# Altium PCB QAM16_PCB.PcbDoc (part 1 of 3)
Units mm, origin at the board's own origin, x right, y up, seen from the top; angles counter-clockwise.
Board outline 146.25 x 74.25 mm, 4 copper layers (Top Layer, MidLayer1, MidLayer2, Bottom Layer), stack 1.554 mm thick; 210 components, 131 nets, 714 pads, 562 vias.
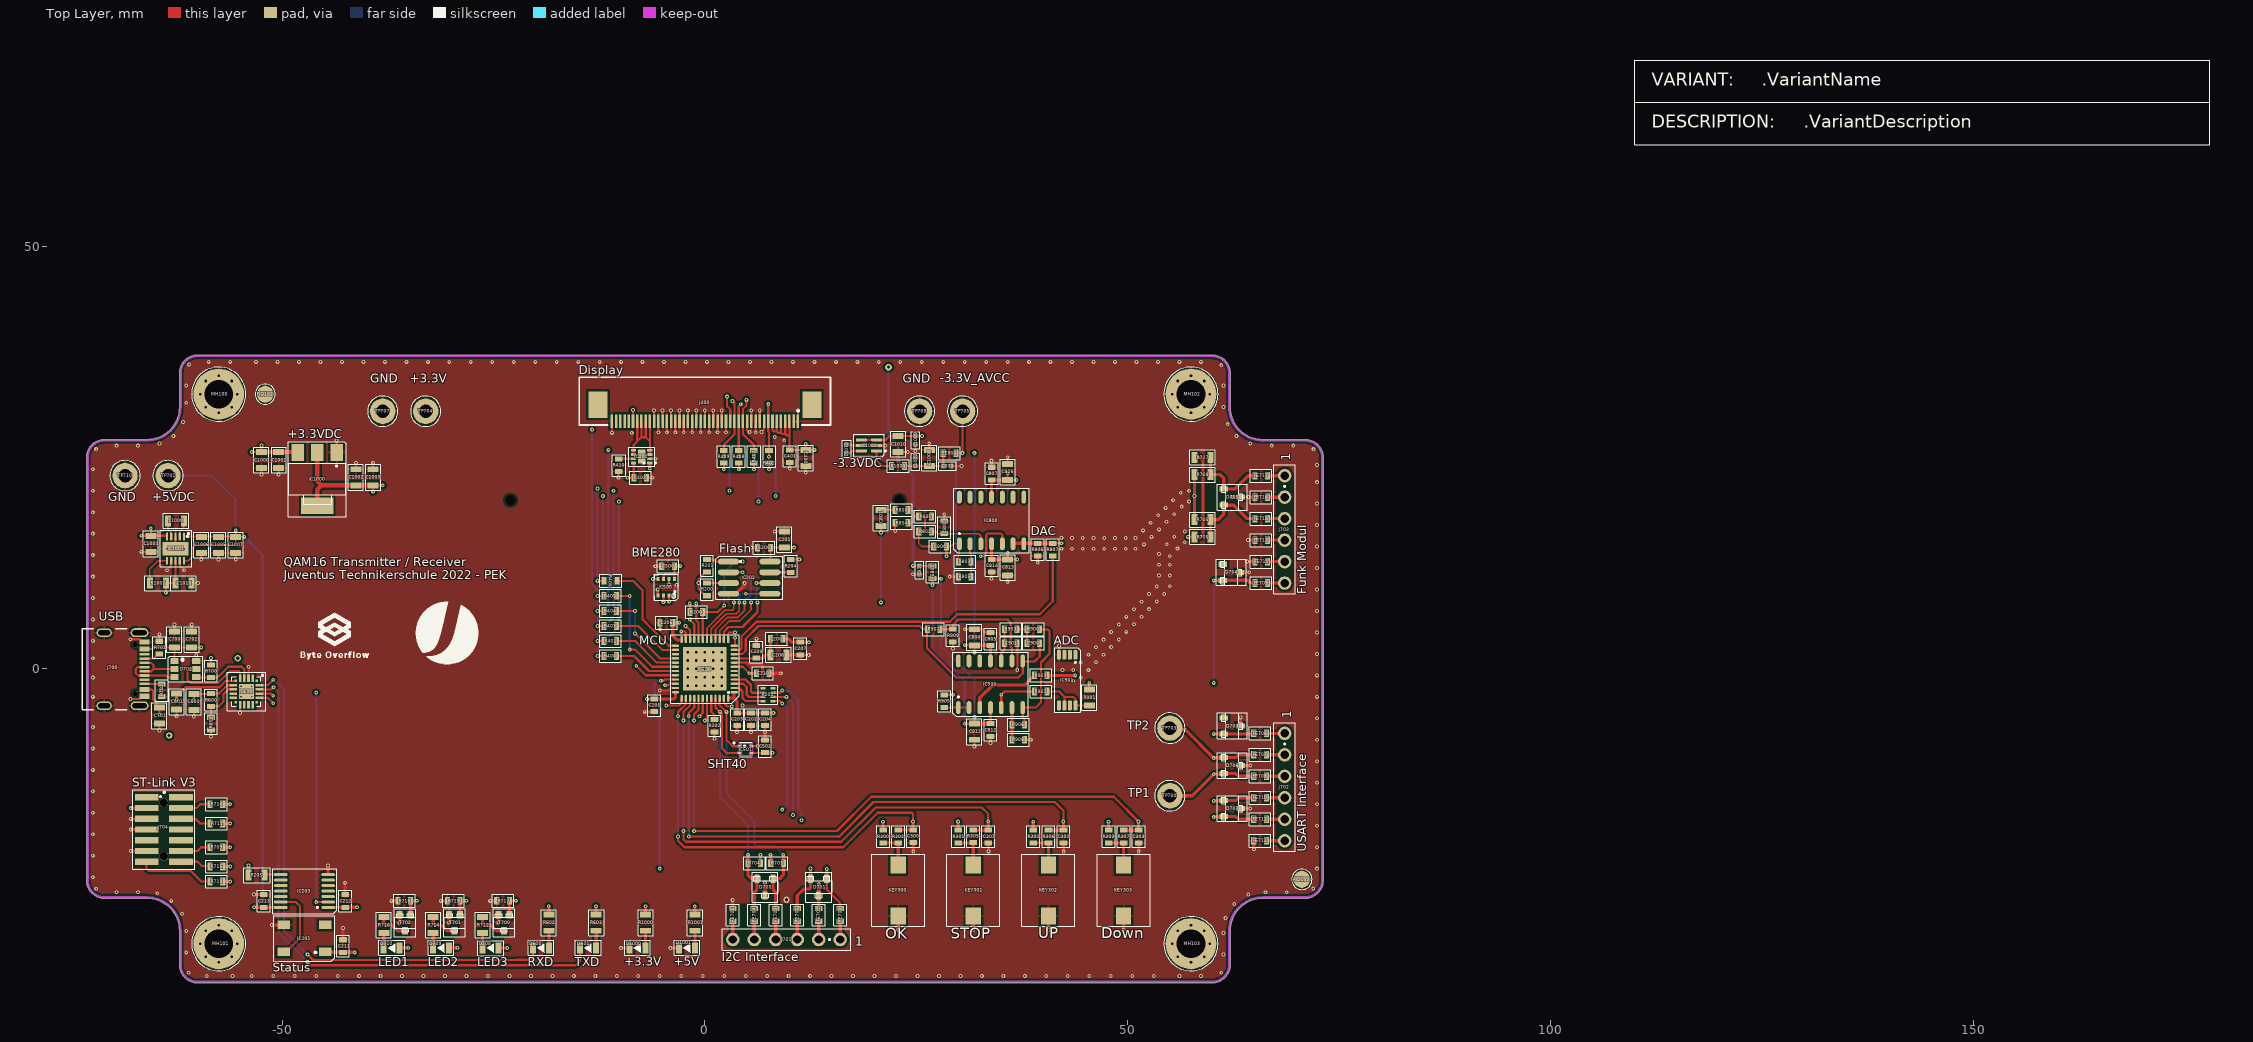
[diagram p0: Top Layer view]
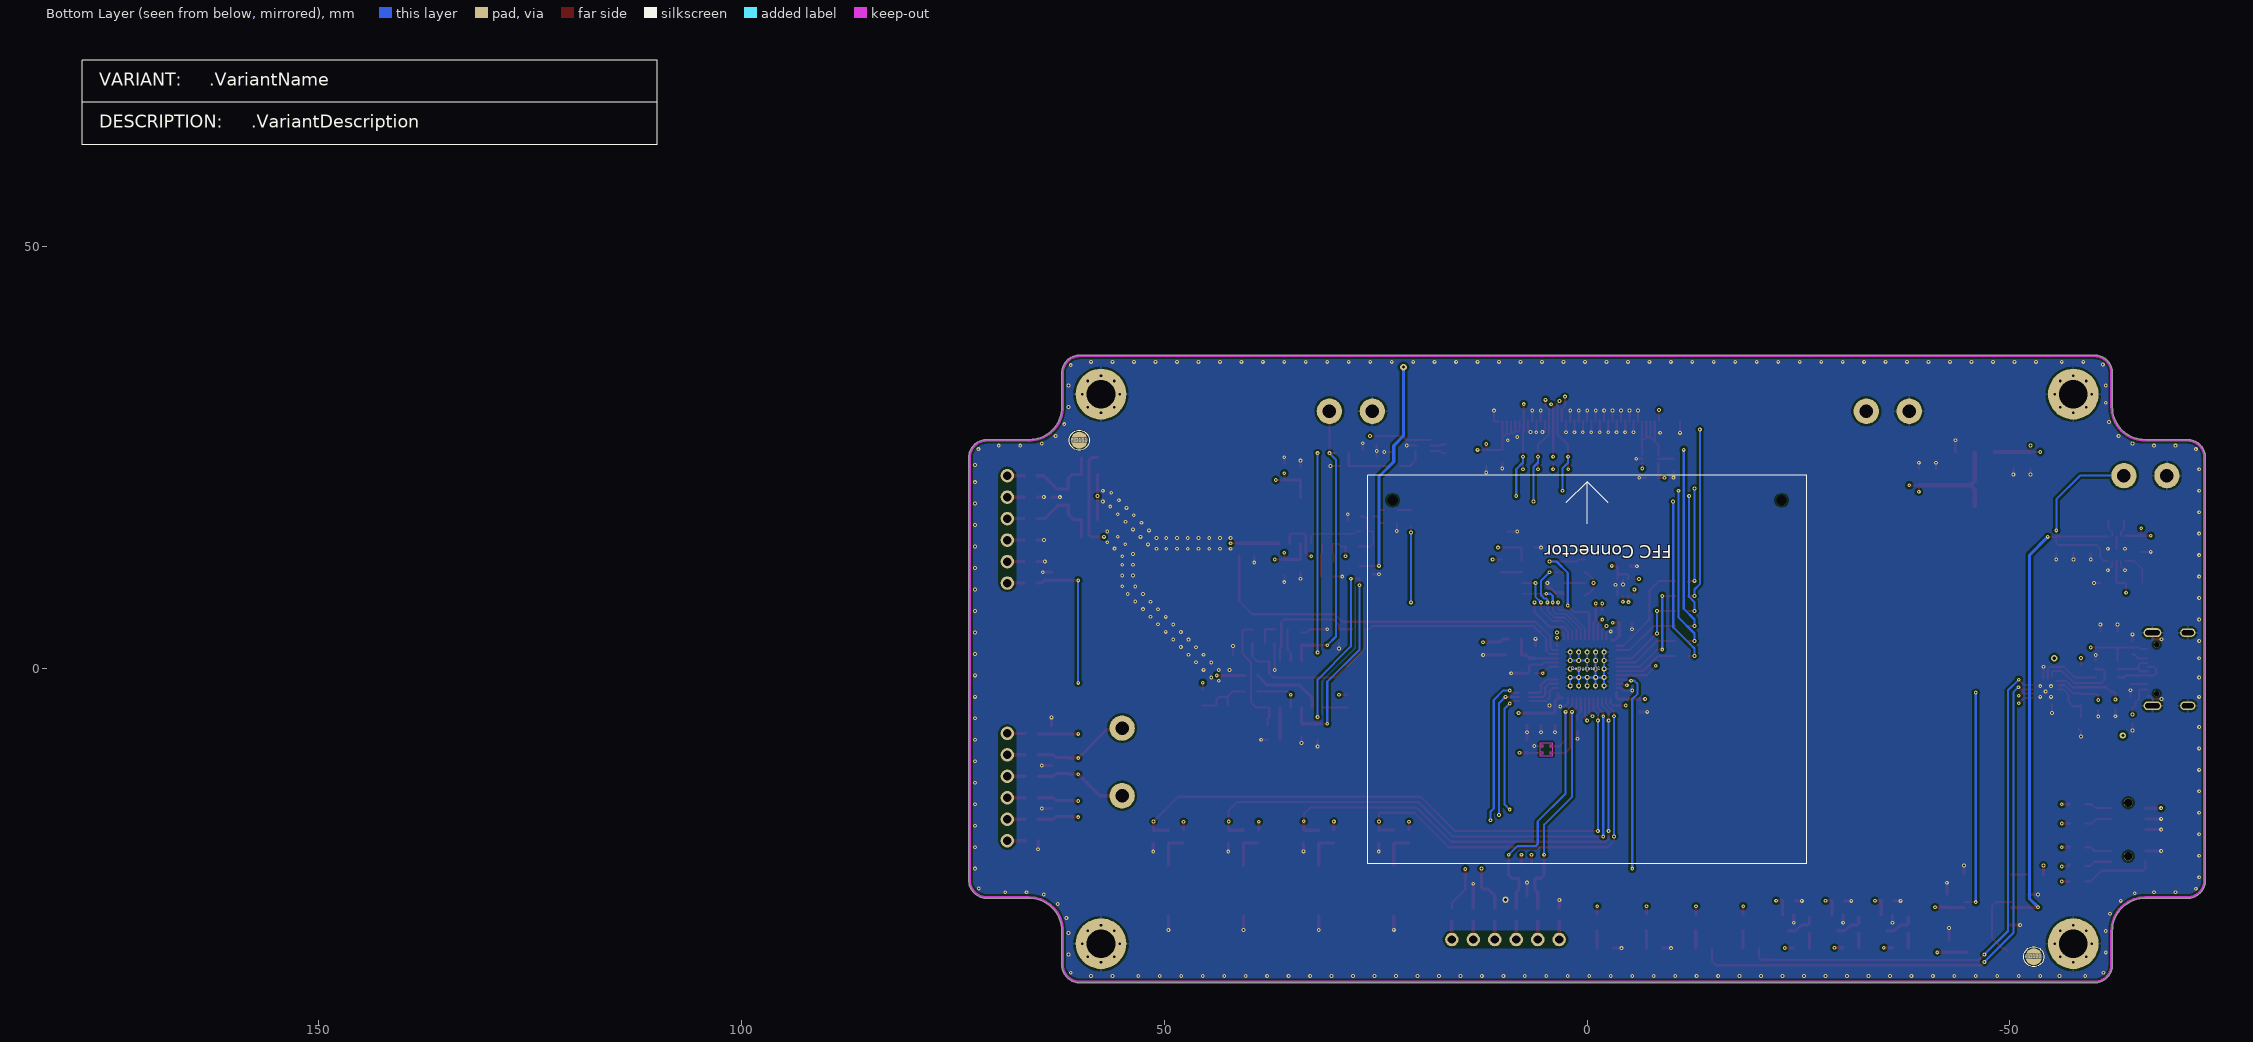
[diagram p1: Bottom Layer view, seen from below]
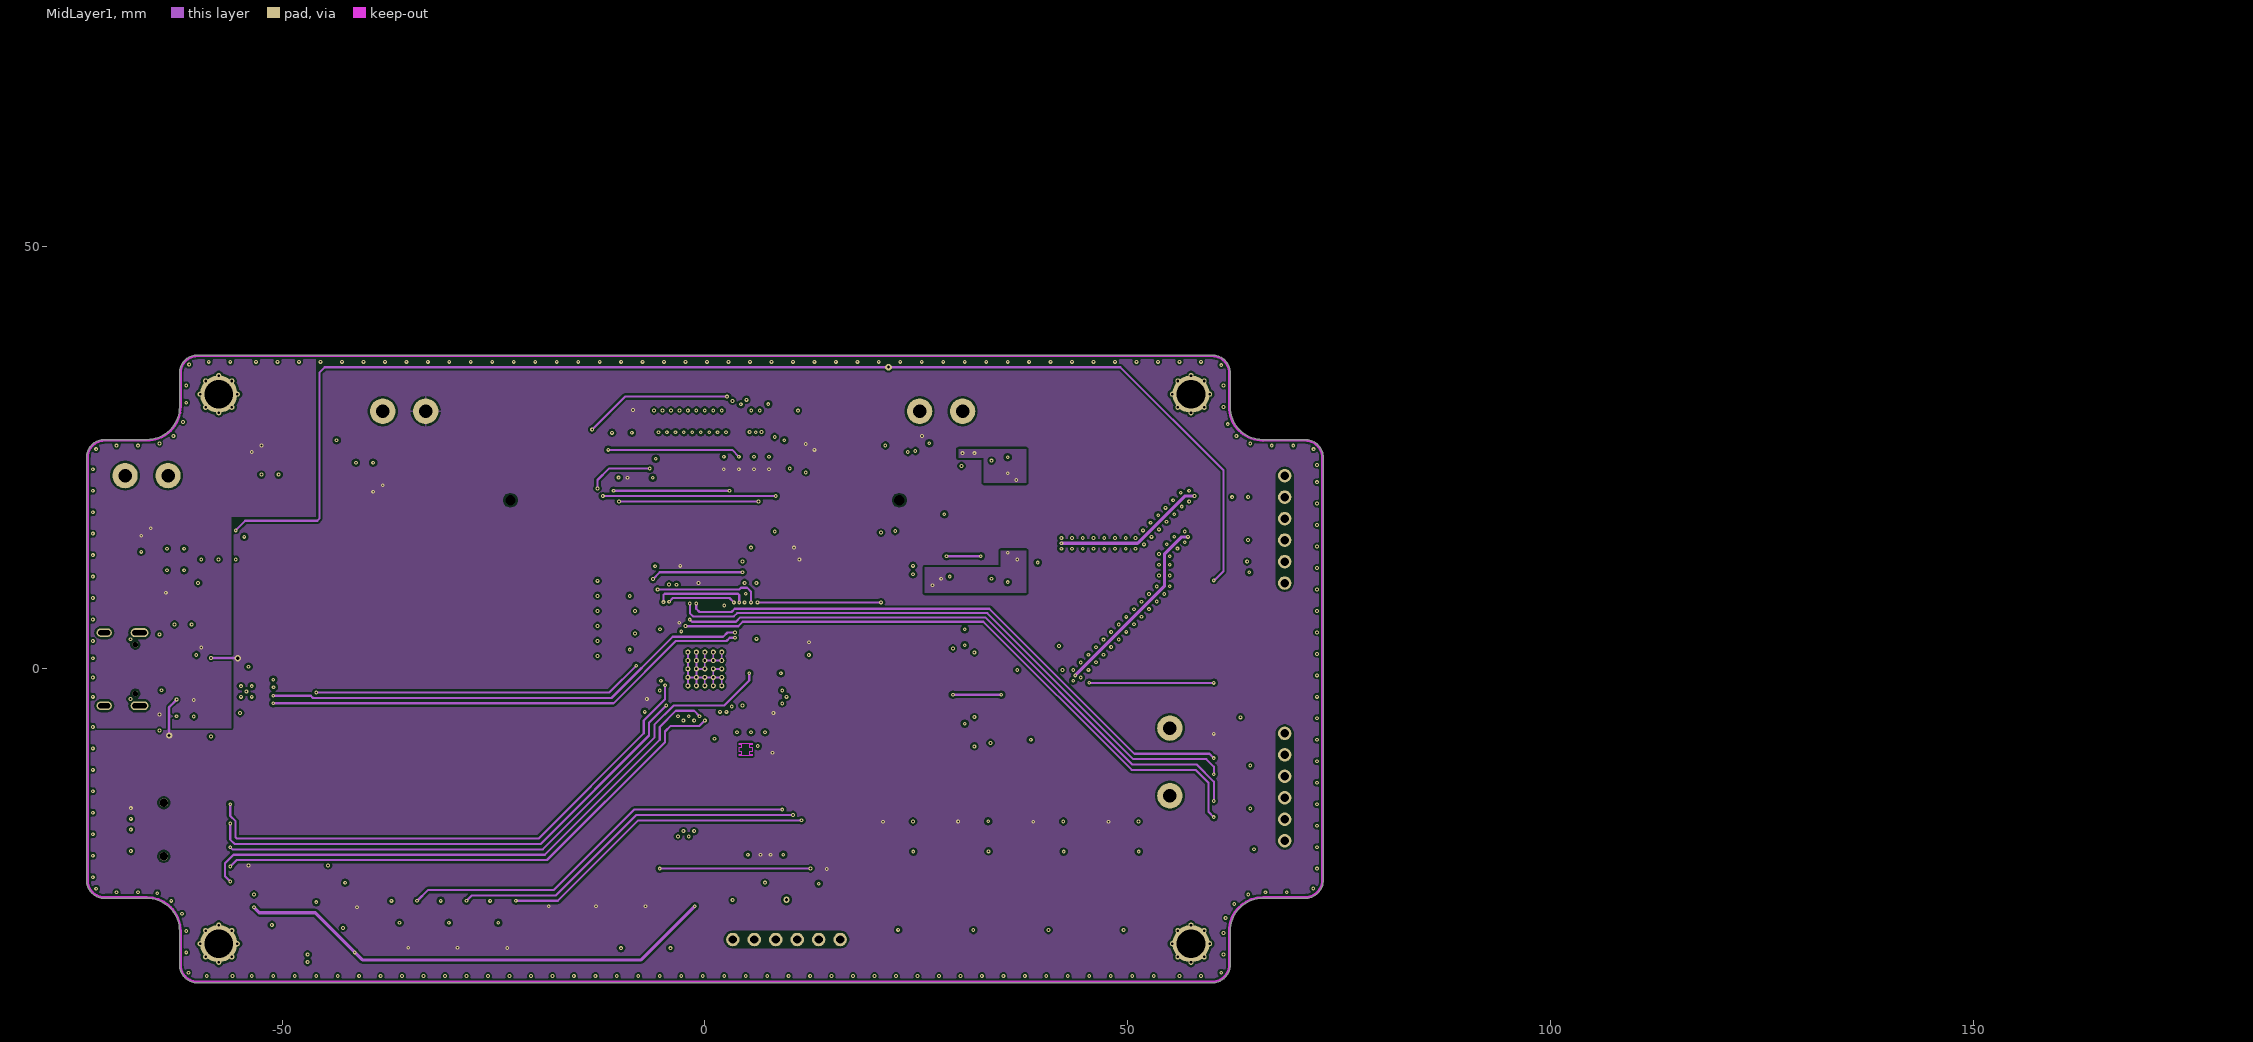
[diagram p2: MidLayer1]
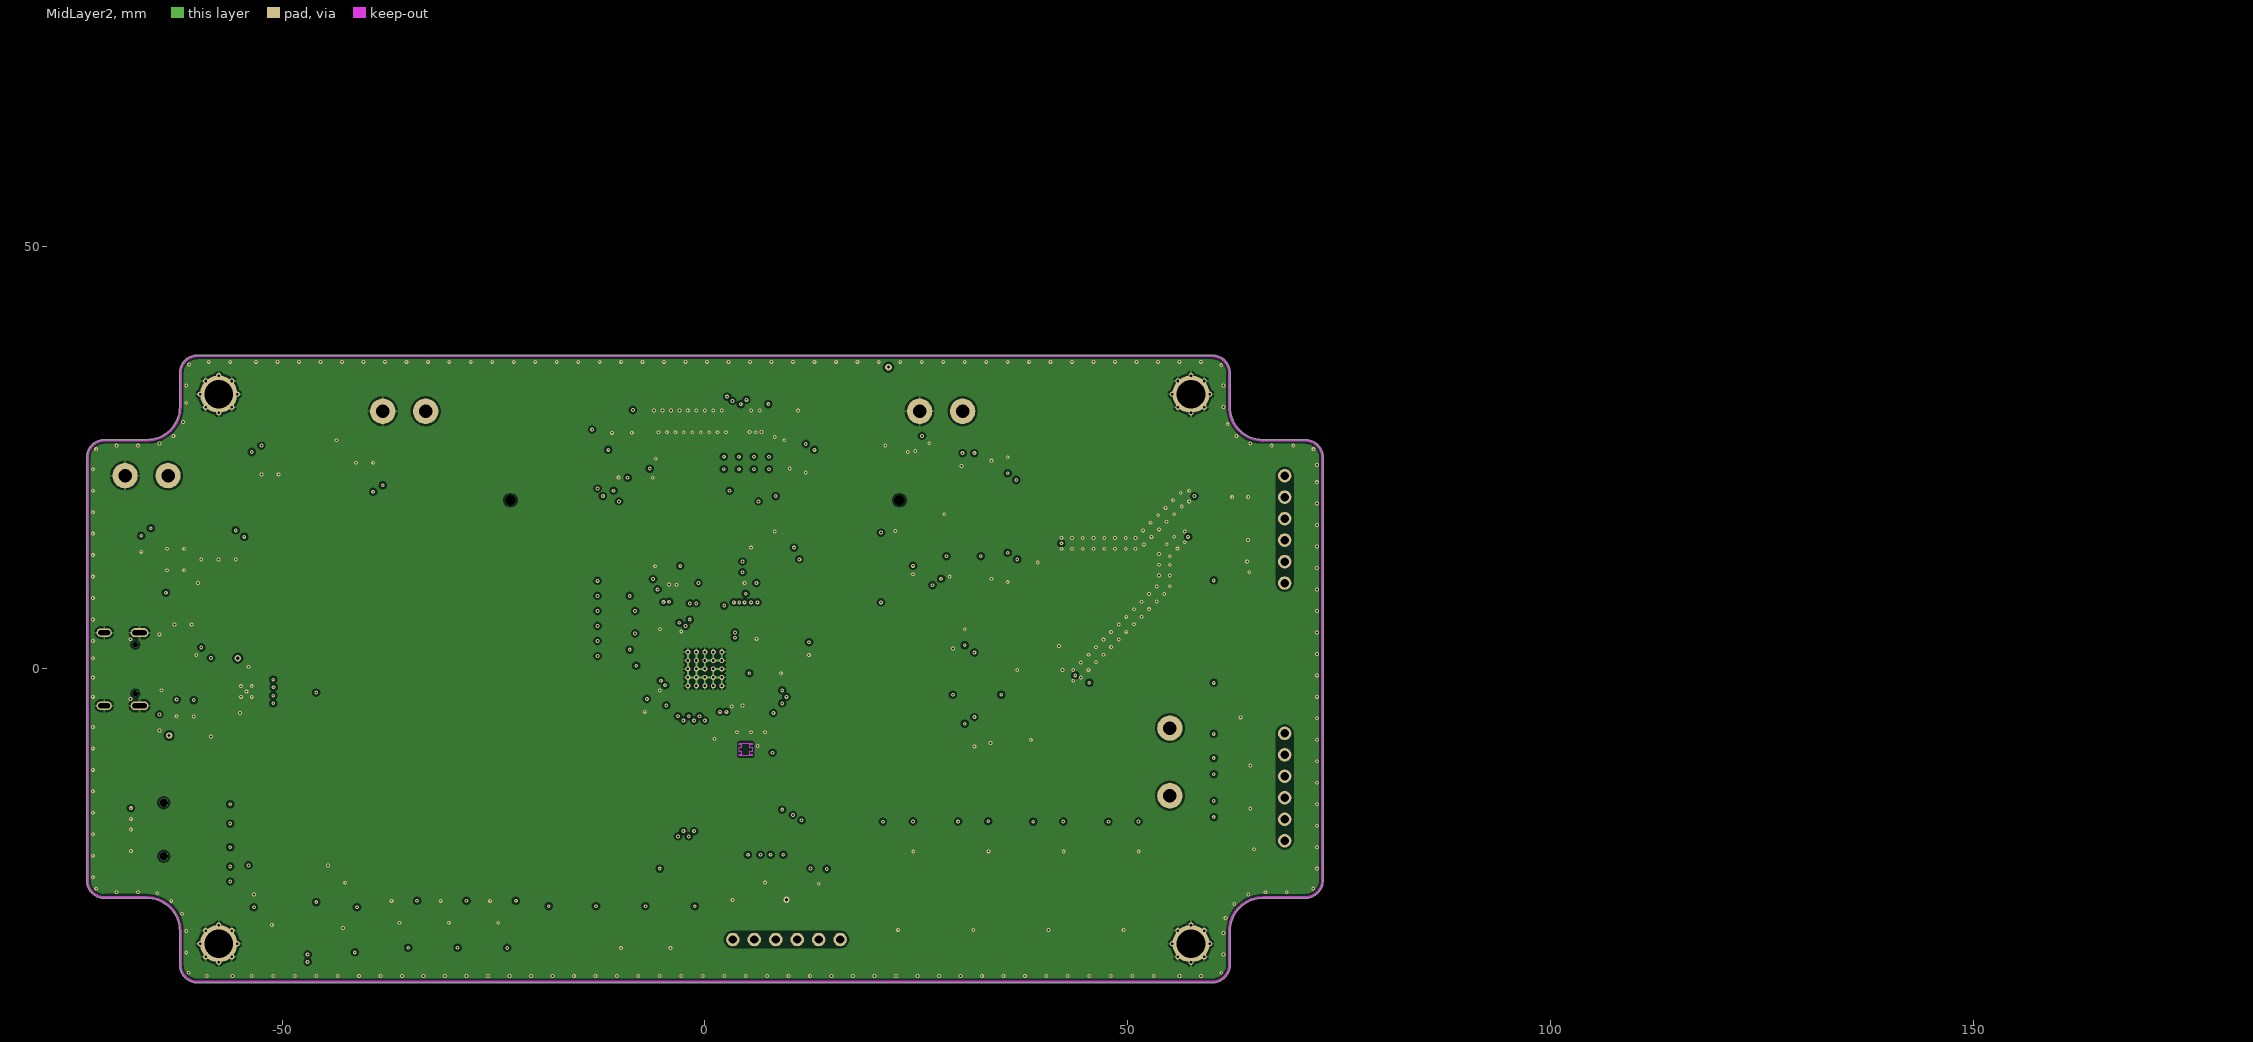
[diagram p3: MidLayer2]

## Layer stack, top to bottom
Top Solder: solder mask 0.0127, Solder Resist, Dk 3.3
Top Layer: signal copper 0.0178
Dielectric1: core 0.2286, FR-4, Dk 4.3
MidLayer1: signal copper 0.0356
Dielectric2: prepreg 0.9906, FR-4, Dk 4.3
MidLayer2: signal copper 0.0356
Dielectric3: core 0.2286, FR-4, Dk 4.3
Bottom Layer: signal copper 0.0178
Bottom Solder: solder mask 0.0127, Solder Resist, Dk 3.3

## Board outline
-62.127,-35 -62.127,-31 ccw(c-66,-31) -65.999,-27.127 -66,-27.127 -71,-27.127 cw(c-71,-25) -73.127,-25.001 -73.127,-25 -73.127,25 -73.127,25.001 cw(c-71,25) -71.001,27.127 -71,27.127 -66,27.127 ccw(c-66,31) -62.127,30.999 -62.127,31 -62.127,35 cw(c-60,35) -60,37.127 -59.998,37.127 60,37.127 60.003,37.127 cw(c60,35) 62.127,35.003 62.127,31 62.125,30.974 ccw(c65.997,30.998) 65.98,27.126 66,27.127 71,27.127 cw(c71,25) 73.127,25.001 73.127,25 73.127,-25 cw(c71,-25) 71.001,-27.127 71,-27.127 66,-27.127 ccw(c66,-31) 62.127,-30.999 62.127,-31 62.127,-35.005 cw(c60,-35) 60.006,-37.127 60.005,-37.127 -60,-37.127 cw(c-60,-35)

## Design rules (kind name [scope] priority, off if disabled: settings)
Clearance ClearancePad/Keepout [(IsPad) vs (OnLayer('Keep-Out Layer'))] p1: gap=0.508 ignorepadtopadclearanceinfootprint=FALSE except(0: Arc-Hole Track-Hole SMDPad-Hole THPad-Hole Via-Hole Fill-Hole Poly-Hole Region-Hole Text-Hole)
Clearance ClearancePad/Pad [(IsPad) vs (IsPad)] p2: gap=0.127 ignorepadtopadclearanceinfootprint=FALSE
Clearance ClearancePoly/Keepout [(IsRegion) vs (OnLayer('Keep-Out Layer'))] p3: gap=0.254 ignorepadtopadclearanceinfootprint=FALSE
Clearance ClearancePoly/All [(IsRegion)] p4: gap=0.254 ignorepadtopadclearanceinfootprint=FALSE except(0: Arc-Hole Track-Hole SMDPad-Hole THPad-Hole Via-Hole Fill-Hole Poly-Hole Region-Hole Text-Hole)
Clearance "ClearancePad/Via same Net" [(IsPad) vs (IsVia)] p5: gap=0.127 ignorepadtopadclearanceinfootprint=TRUE except(0: Arc-Hole Track-Hole SMDPad-Hole THPad-Hole Via-Hole Fill-Hole Poly-Hole Region-Hole Text-Hole)
Clearance "ClearancePad/Via different Net" [(IsPad) vs (IsVia)] p6: gap=0.203 ignorepadtopadclearanceinfootprint=FALSE except(0: Arc-Hole Track-Hole SMDPad-Hole THPad-Hole Via-Hole Fill-Hole Poly-Hole Region-Hole Text-Hole)
Clearance ClearanceVia/Via [(IsVia) vs (IsVia)] p7: gap=0.203 ignorepadtopadclearanceinfootprint=FALSE except(0: Arc-Hole Track-Hole SMDPad-Hole THPad-Hole Via-Hole Fill-Hole Poly-Hole Region-Hole Text-Hole)
Clearance ClearanceTrack/Via [(IsTrack) vs (IsVia)] p8: gap=0.203 ignorepadtopadclearanceinfootprint=FALSE except(0: Arc-Hole Track-Hole SMDPad-Hole THPad-Hole Via-Hole Fill-Hole Poly-Hole Region-Hole Text-Hole)
Clearance ClearanceTrack/Pad [(IsTrack) vs (IsPad)] p9: gap=0.203 ignorepadtopadclearanceinfootprint=FALSE except(0: Arc-Hole Track-Hole SMDPad-Hole THPad-Hole Via-Hole Fill-Hole Poly-Hole Region-Hole Text-Hole)
Clearance ClearanceTrack/Track [(IsTrack) vs (IsTrack)] p10: gap=0.203 ignorepadtopadclearanceinfootprint=FALSE except(0: Arc-Hole Track-Hole SMDPad-Hole THPad-Hole Via-Hole Fill-Hole Poly-Hole Region-Hole Text-Hole)
ComponentClearance [All] p1: gap=0.127 collisioncheckmode=3 verticalgap=0.254 showdistances=FALSE
DiffPairsRouting [All] p1: maxlimit=0.254 minlimit=0.254 mostfreqgap=0.254 toplayer_minwidth=0.381 toplayer_maxwidth=0.381 toplayer_prefwidth=0.381 midlayer1_minwidth=0.381 midlayer1_maxwidth=0.381 midlayer1_prefwidth=0.381 midlayer2_minwidth=0.381 midlayer2_maxwidth=0.381 midlayer2_prefwidth=0.381 bottomlayer_minwidth=0.381 bottomlayer_maxwidth=0.381 bottomlayer_prefwidth=0.381 maxuncoupledlength=12.7
FabricationTestPointUsage TestPointUsage [All] p1: valid=0 allowmultiple=FALSE
FabricationTestpoint Testpoint [All] p1: side=3 testpointundercomponent=TRUE minsize=1.016 maxsize=2.54 preferedsize=1.524 minholesize=0 maxholesize=1.016 preferedholesize=0.813 testpointgrid=0.025 allowsidetop=TRUE allowsidebottom=TRUE usegrid=TRUE gridtolerance=0
HoleSize [All] p1: absolutevalues=TRUE maxlimit=254 minlimit=0.025 maxpercent=80.000 minpercent=20.000
PolygonConnect [All] p1: thpad.connectstyle=Relief thpad.reliefconductorwidth=0.254 thpad.reliefentries=4 thpad.polygonreliefangle="90 Angle" thpad.airgapwidth=0.254 smdpad.connectstyle=Relief smdpad.reliefconductorwidth=0.254 smdpad.reliefentries=4 smdpad.polygonreliefangle="90 Angle" smdpad.airgapwidth=0.254 via.connectstyle=Direct via.reliefconductorwidth=0.254 via.reliefentries=4 via.polygonreliefangle="90 Angle" via.airgapwidth=0.254
RoutingVias [All] p1: holewidth=0.356 width=0.813 viastyle="Through Hole" minholewidth=0.305 minwidth=0.61 maxholewidth=0.711 maxwidth=1.27
SilkToSolderMaskClearance SilkscreenOverComponentPads [IsPad] p1: minsilkscreentomaskgap=0.254 clearancetoexposedcopper=TRUE
SolderMaskExpansion [All] p1: expansion=0.102 istentingtop=FALSE
Width [All] p1: maxlimit=2.54 minlimit=0.203 preferedwidth=0.254
24 further rules are at their usual default settings.

## Classes and differential pairs
component class U_Powersupply: D1000 D1001 R1001
differential pair USB_D: +USB_D_P -USB_D_N

## Components (designator, comment, footprint, x,y, rotation, side; value= is the part's Value field where it differs from the comment)
C200 "C 100nF 50V X7R" 0603-1608 7.747,14.351 r180 top value="100nF 50V"
C201 "C 1uF 50V" 0805-2012 9.398,14.351 r90 top value="1uF 50V"
C202 "C 4.7uF 25V" 0603-1608 5.461,-5.207 r270 top value="4.7uF 25V X5R"
C203 "C 100nF 50V X7R" 0603-1608 3.81,-5.207 r270 top value="100nF 50V"
C204 "C 100nF 50V X7R" 0603-1608 7.112,-5.207 r270 top value="100nF 50V"
C205 "C 100nF 50V X7R" 0603-1608 -5.969,-3.556 r270 top value="100nF 50V"
C206 "C 100nF 50V X7R" 0603-1608 -3.798,5.461 r180 top value="100nF 50V"
C207 "C 100nF 50V X7R" 0603-1608 11.303,3.163 r270 top value="100nF 50V"
C208 "C 1uF 50V" 0805-2012 7.747,1.651 r0 top value="1uF 50V"
C209 "C 100nF 50V X7R" 0603-1608 6.096,1.27 r90 top value="100nF 50V"
C210 "C 100nF 50V X7R" 0603-1608 6.096,-0.508 r0 top value="100nF 50V"
C211 "C 100nF 50V X7R" 0603-1608 -42.799,-33.528 r90 top value="100nF 50V"
C212 "C 100nF 50V X7R" 0603-1608 -42.545,-28.194 r90 top value="100nF 50V"
C213 "C 100nF 50V X7R" 0603-1608 -52.197,-28.194 r90 top value="100nF 50V"
C300 "C 100nF 50V X7R" 0603-1608 24.638,-19.05 r270 top value="100nF 50V"
C301 "C 100nF 50V X7R" 0603-1608 33.528,-19.074 r270 top value="100nF 50V"
C302 "C 100nF 50V X7R" 0603-1608 42.418,-19.074 r270 top value="100nF 50V"
C303 "C 100nF 50V X7R" 0603-1608 51.308,-19.074 r270 top value="100nF 50V"
C400 "C 1uF 50V" 0805-2012 11.938,25.908 r270 top value="1uF 50V"
C401 "C 100nF 50V X7R" 0603-1608 10.033,25.908 r270 top value="100nF 50V"
C402 "C 100nF 50V X7R" 0603-1608 -8.382,22.606 r0 top value="100nF 50V"
C500 "C 100nF 50V X7R" 0603-1608 -3.597,12.151 r180 top value="100nF 50V"
C502 "C 100nF 50V X7R" 0603-1608 7.112,-9.906 r90 top value="100nF 50V"
C600 "C 1uF 50V" 0805-2012 -60.447,-2.944 r270 top value="1uF 50V"
C601 "C 1uF 50V" 0805-2012 -62.484,-2.921 r270 top value="1uF 50V"
C700 "C 1uF 50V" 0805-2012 -62.738,2.54 r90 top value="1uF 50V"
C701 "C 1uF 50V" 0805-2012 -64.516,-4.572 r270 top value="1uF 50V"
C702 "C 1uF 50V" 0805-2012 -60.706,2.54 r90 top value="1uF 50V"
C800 "C 220nF 16V" 0603-1608 27.075,14.478 r0 top value="220nF 16V"
C801 "C 1uF 50V" 0805-2012 20.828,16.896 r90 top value="1uF 50V"
C802 "C 220nF 16V" 0603-1608 28.321,17.502 r270 top value="220nF 16V"
C803 "C 4.7uF 6.3V" 0402-1005 28.194,24.003 r0 top value="4.7uF 6.3V"
C804 "C 1uF 50V" 0805-2012 31.877,2.794 r90 top value="1uF 50V"
C805 "C 100nF 50V X7R" 0603-1608 33.782,2.794 r90 top value="100nF 50V"
C806 "C 1uF 50V" 0805-2012 35.814,22.352 r90 top value="1uF 50V"
C807 "C 100nF 50V X7R" 0603-1608 33.909,22.352 r90 top value="100nF 50V"
C810 "C 4.7uF 6.3V" 0402-1005 25.4,12.192 r270 top value="4.7uF 6.3V"
C811 "C 1uF 50V" 0805-2012 31.877,-6.477 r270 top value="1uF 50V"
C812 "C 100nF 50V X7R" 0603-1608 33.782,-6.477 r270 top value="100nF 50V"
C813 "C 1uF 50V" 0805-2012 35.814,12.954 r270 top value="1uF 50V"
C814 "C 100nF 50V X7R" 0603-1608 33.909,12.954 r270 top value="100nF 50V"
C900 "C 220nF 16V" 0603-1608 38.1,3.048 r0 top value="220nF 16V"
C901 "C 220nF 16V" 0603-1608 36.933,3.048 r180 top value="220nF 16V"
C1000 "C 1uF 50V" 0805-2012 -52.451,25.654 r270 top value="1uF 50V"
C1001 "C 0.1uF 50V" 0805-2012 -50.419,25.654 r270 top value="0.1uF 50V"
C1002 "C 1uF 50V" 0805-2012 -41.275,21.717 r90 top value="1uF 50V"
C1003 "C 0.1uF 50V" 0805-2012 -39.243,21.717 r90 top value="0.1uF 50V"